# Altium PCB 键盘.PcbDoc (part 3 of 10)
Units mm, origin at the board's own origin, x right, y up, seen from the top; angles counter-clockwise.
Board outline 100 x 100 mm, 2 copper layers (Top Layer, Bottom Layer); 85 components, 82 nets, 333 pads, 92 vias.
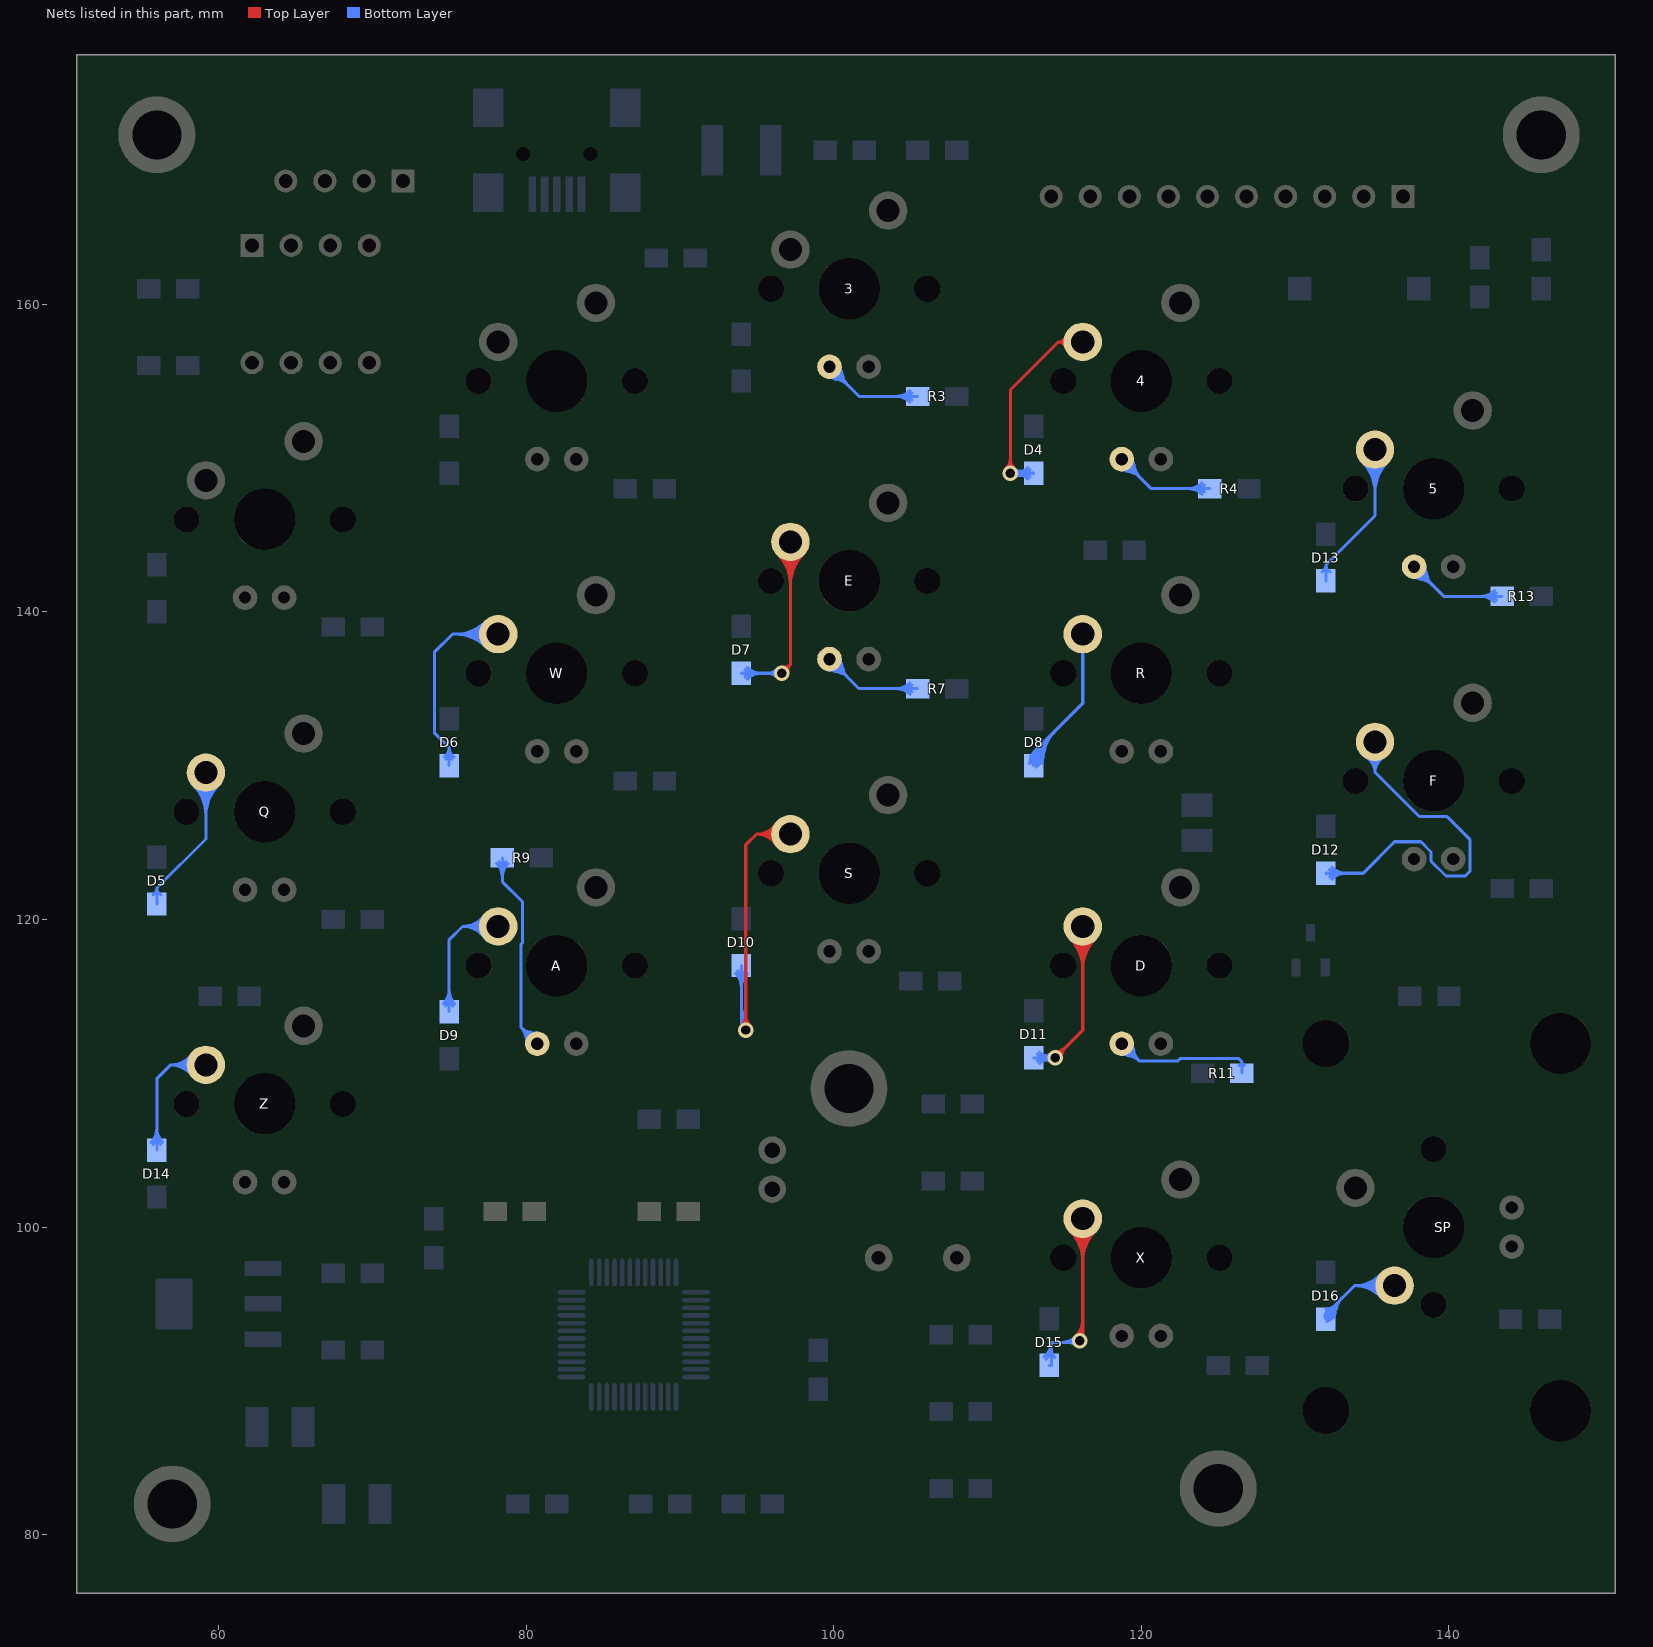
[diagram p3: the nets of this part, all layers, seen from the top]

## Via types
v1: diameter 1, hole 0.6, Top Layer to Bottom Layer, 92 vias

## Nets (pads, with @x,y where several pads share a name; then routed paths per layer and width w, separated by ;. In a path a pad name is that pad's centre, name@x,y a point inside that pad or via, vN(x,y) a via of type N, cw(c..) or ccw(c..) an arc to the next point about the centre after c; other vN are vias at no path point) (continued)
Net3_A: 3.A R3.2 | length 43.9
  Bottom Layer w0.2: 3.A@99.73,155.92 101.65,154 R3.2@105.46,154 ; 3.A@99.436,155.86 ccw(c100.397,156.057) 100.143,155.109 ; 3.A@99.436,155.86 ccw(c100.397,156.057) 100.143,155.109 ; 3.A@99.436,155.86 ccw(c100.397,156.057) 100.143,155.109 ; 3.A@99.632,155.9 ccw(c100.751,156.129) 100.456,155.026 ; 3.A@99.632,155.9 ccw(c100.751,156.129) 100.456,155.026 ; 3.A@99.632,155.9 ccw(c100.751,156.129) 100.456,155.026 ; 3.A@99.73,155.22 cw(c99.73,153.53) 100.925,154.725 ; 3.A@99.73,155.22 cw(c99.73,153.53) 100.925,154.725 ; 3.A@99.73,155.22 cw(c99.73,153.53) 100.925,154.725 ; 3.A@99.73,155.42 cw(c99.73,154.213) 100.584,155.066 ; 3.A@99.73,155.42 cw(c99.73,154.213) 100.584,155.066 ; 3.A@99.73,155.42 cw(c99.73,154.213) 100.584,155.066 ; 3.A@99.75,156.018 cw(c99.521,154.899) 100.624,155.194 ; 3.A@99.75,156.018 cw(c99.521,154.899) 100.624,155.194 ; 3.A@99.75,156.018 cw(c99.521,154.899) 100.624,155.194 ; 3.A@99.79,156.214 cw(c99.593,155.253) 100.541,155.507 ; 3.A@99.79,156.214 cw(c99.593,155.253) 100.541,155.507 ; 3.A@99.79,156.214 cw(c99.593,155.253) 100.541,155.507 ; 3.A@100.23,155.92 ccw(c101.437,155.92) 100.584,155.066 ; 3.A@100.23,155.92 ccw(c101.437,155.92) 100.584,155.066 ; 3.A@100.23,155.92 ccw(c101.437,155.92) 100.584,155.066 ; 3.A@100.43,155.92 ccw(c102.12,155.92) 100.925,154.725 ; 3.A@100.43,155.92 ccw(c102.12,155.92) 100.925,154.725 ; 3.A@100.43,155.92 ccw(c102.12,155.92) 100.925,154.725 ; 104.056,154 cw(c104.056,152.733) R3.2@104.952,153.629 ; 104.056,154 ccw(c104.056,155.267) R3.2@104.952,154.371 ; 104.056,154 cw(c104.056,152.733) R3.2@104.952,153.629 ; 104.056,154 ccw(c104.056,155.267) R3.2@104.952,154.371 ; 104.056,154 cw(c104.056,152.733) R3.2@104.952,153.629 ; 104.056,154 ccw(c104.056,155.267) R3.2@104.952,154.371 ; 104.538,154 cw(c104.538,153.215) R3.2@105.093,153.77 ; 104.538,154 ccw(c104.538,154.785) R3.2@105.093,154.23 ; 104.538,154 cw(c104.538,153.215) R3.2@105.093,153.77 ; 104.538,154 ccw(c104.538,154.785) R3.2@105.093,154.23 ; 104.538,154 cw(c104.538,153.215) R3.2@105.093,153.77 ; 104.538,154 ccw(c104.538,154.785) R3.2@105.093,154.23
Net4_1: 4.1 D4.2 | length 52.1
  Top Layer w0.2: v1(111.481,149) 111.481,154.416 114.605,157.54 ; 4.1@116.19,157.54 114.605,157.54 ; v1@111.198,149.283 ccw(c110.515,149.966) 111.481,149.966 ; v1@111.198,149.283 ccw(c110.515,149.966) 111.481,149.966 ; v1@111.198,149.283 ccw(c110.515,149.966) 111.481,149.966 ; 111.481,149.966 ccw(c112.446,149.966) v1@111.763,149.283 ; 111.481,149.966 ccw(c112.446,149.966) v1@111.763,149.283 ; 111.481,149.966 ccw(c112.446,149.966) v1@111.763,149.283 ; 114.605,157.54 cw(c114.605,157.022) 4.1@115.097,157.183 ; 114.605,157.54 ccw(c114.605,158.057) 4.1@115.097,157.897 ; 114.605,157.54 cw(c114.605,157.022) 4.1@115.097,157.183 ; 114.605,157.54 ccw(c114.605,158.057) 4.1@115.097,157.897 ; 114.605,157.54 cw(c114.605,157.022) 4.1@115.097,157.183 ; 114.605,157.54 ccw(c114.605,158.057) 4.1@115.097,157.897 ; 114.881,157.54 cw(c114.881,157.112) 4.1@115.287,157.245 ; 114.881,157.54 ccw(c114.881,157.967) 4.1@115.287,157.835 ; 114.881,157.54 cw(c114.881,157.112) 4.1@115.287,157.245 ; 114.881,157.54 ccw(c114.881,157.967) 4.1@115.287,157.835 ; 114.881,157.54 cw(c114.881,157.112) 4.1@115.287,157.245 ; 114.881,157.54 ccw(c114.881,157.967) 4.1@115.287,157.835
  Bottom Layer w0.2: v1(111.481,149) D4.2@113,149 ; v1@111.708,149 cw(c111.708,147.708) D4.2@112.622,148.622 ; v1@111.708,149 ccw(c111.708,150.292) D4.2@112.622,149.378 ; v1@111.708,149 cw(c111.708,147.708) D4.2@112.622,148.622 ; v1@111.708,149 ccw(c111.708,150.292) D4.2@112.622,149.378 ; v1@111.708,149 cw(c111.708,147.708) D4.2@112.622,148.622 ; v1@111.708,149 ccw(c111.708,150.292) D4.2@112.622,149.378 ; v1@111.763,148.717 cw(c112.446,148.034) D4.2@112.446,149 ; v1@111.763,148.717 cw(c112.446,148.034) D4.2@112.446,149 ; v1@111.763,148.717 cw(c112.446,148.034) D4.2@112.446,149 ; v1@111.763,149.283 ccw(c112.446,149.966) D4.2@112.446,149 ; v1@111.763,149.283 ccw(c112.446,149.966) D4.2@112.446,149 ; v1@111.763,149.283 ccw(c112.446,149.966) D4.2@112.446,149 ; v1@111.766,148.72 cw(c112.125,148.367) 112.256,148.853 ; v1@111.766,148.72 cw(c112.125,148.367) 112.256,148.853 ; v1@111.766,148.72 cw(c112.125,148.367) 112.256,148.853 ; v1@111.766,148.72 cw(c112.125,148.367) 112.256,148.853 ; v1@111.766,148.72 cw(c112.125,148.367) 112.256,148.853 ; v1@111.766,148.72 cw(c112.125,148.367) 112.256,148.853 ; v1@111.766,149.28 ccw(c112.125,149.633) 112.256,149.147 ; v1@111.766,149.28 ccw(c112.125,149.633) 112.256,149.147 ; v1@111.766,149.28 ccw(c112.125,149.633) 112.256,149.147 ; v1@111.766,149.28 ccw(c112.125,149.633) 112.256,149.147 ; v1@111.766,149.28 ccw(c112.125,149.633) 112.256,149.147 ; v1@111.766,149.28 ccw(c112.125,149.633) 112.256,149.147 ; v1@111.833,148.812 cw(c112.431,148.492) 112.255,149.147 ; v1@111.833,148.812 cw(c112.431,148.492) 112.255,149.147 ; v1@111.833,148.812 cw(c112.431,148.492) 112.255,149.147 ; v1@111.833,148.812 cw(c112.431,148.492) 112.255,149.147 ; v1@111.833,148.812 cw(c112.431,148.492) 112.255,149.147 ; v1@111.833,148.812 cw(c112.431,148.492) 112.255,149.147 ; v1@111.833,149.188 ccw(c112.431,149.508) 112.255,148.853 ; v1@111.833,149.188 ccw(c112.431,149.508) 112.255,148.853 ; v1@111.833,149.188 ccw(c112.431,149.508) 112.255,148.853 ; v1@111.833,149.188 ccw(c112.431,149.508) 112.255,148.853 ; v1@111.833,149.188 ccw(c112.431,149.508) 112.255,148.853 ; v1@111.833,149.188 ccw(c112.431,149.508) 112.255,148.853 ; 112.191,149 cw(c112.191,148.191) D4.2@112.763,148.763 ; 112.191,149 ccw(c112.191,149.809) D4.2@112.763,149.237 ; 112.191,149 cw(c112.191,148.191) D4.2@112.763,148.763 ; 112.191,149 ccw(c112.191,149.809) D4.2@112.763,149.237 ; 112.191,149 cw(c112.191,148.191) D4.2@112.763,148.763 ; 112.191,149 ccw(c112.191,149.809) D4.2@112.763,149.237
Net4_A: 4.A R4.2 | length 43.9
  Bottom Layer w0.2: 4.A@118.73,149.92 120.65,148 R4.2@124.46,148 ; 4.A@118.436,149.86 ccw(c119.397,150.057) 119.143,149.109 ; 4.A@118.436,149.86 ccw(c119.397,150.057) 119.143,149.109 ; 4.A@118.436,149.86 ccw(c119.397,150.057) 119.143,149.109 ; 4.A@118.632,149.9 ccw(c119.751,150.129) 119.456,149.026 ; 4.A@118.632,149.9 ccw(c119.751,150.129) 119.456,149.026 ; 4.A@118.632,149.9 ccw(c119.751,150.129) 119.456,149.026 ; 4.A@118.73,149.22 cw(c118.73,147.53) 119.925,148.725 ; 4.A@118.73,149.22 cw(c118.73,147.53) 119.925,148.725 ; 4.A@118.73,149.22 cw(c118.73,147.53) 119.925,148.725 ; 4.A@118.73,149.42 cw(c118.73,148.213) 119.584,149.066 ; 4.A@118.73,149.42 cw(c118.73,148.213) 119.584,149.066 ; 4.A@118.73,149.42 cw(c118.73,148.213) 119.584,149.066 ; 4.A@118.75,150.018 cw(c118.521,148.899) 119.624,149.194 ; 4.A@118.75,150.018 cw(c118.521,148.899) 119.624,149.194 ; 4.A@118.75,150.018 cw(c118.521,148.899) 119.624,149.194 ; 4.A@118.79,150.214 cw(c118.593,149.253) 119.541,149.507 ; 4.A@118.79,150.214 cw(c118.593,149.253) 119.541,149.507 ; 4.A@118.79,150.214 cw(c118.593,149.253) 119.541,149.507 ; 4.A@119.23,149.92 ccw(c120.437,149.92) 119.584,149.066 ; 4.A@119.23,149.92 ccw(c120.437,149.92) 119.584,149.066 ; 4.A@119.23,149.92 ccw(c120.437,149.92) 119.584,149.066 ; 4.A@119.43,149.92 ccw(c121.12,149.92) 119.925,148.725 ; 4.A@119.43,149.92 ccw(c121.12,149.92) 119.925,148.725 ; 4.A@119.43,149.92 ccw(c121.12,149.92) 119.925,148.725 ; 123.056,148 cw(c123.056,146.733) R4.2@123.952,147.629 ; 123.056,148 ccw(c123.056,149.267) R4.2@123.952,148.371 ; 123.056,148 cw(c123.056,146.733) R4.2@123.952,147.629 ; 123.056,148 ccw(c123.056,149.267) R4.2@123.952,148.371 ; 123.056,148 cw(c123.056,146.733) R4.2@123.952,147.629 ; 123.056,148 ccw(c123.056,149.267) R4.2@123.952,148.371 ; 123.538,148 cw(c123.538,147.215) R4.2@124.093,147.77 ; 123.538,148 ccw(c123.538,148.785) R4.2@124.093,148.23 ; 123.538,148 cw(c123.538,147.215) R4.2@124.093,147.77 ; 123.538,148 ccw(c123.538,148.785) R4.2@124.093,148.23 ; 123.538,148 cw(c123.538,147.215) R4.2@124.093,147.77 ; 123.538,148 ccw(c123.538,148.785) R4.2@124.093,148.23
Net5_1: 5.1 D13.2 | length 51.9
  Bottom Layer w0.2: D13.2@132,142 132,143.053 ; 5.1@135.19,150.54 135.19,146.243 132,143.053 ; D13.2@131.733,142.591 ccw(c131.467,143.053) 132,143.053 ; D13.2@131.733,142.591 ccw(c131.467,143.053) 132,143.053 ; D13.2@131.733,142.591 ccw(c131.467,143.053) 132,143.053 ; 132,143.053 ccw(c132.533,143.053) D13.2@132.267,142.591 ; 132,143.053 ccw(c132.533,143.053) D13.2@132.267,142.591 ; 132,143.053 ccw(c132.533,143.053) D13.2@132.267,142.591 ; 5.1@134.377,149.727 cw(c132.414,147.764) 135.19,147.764 ; 5.1@134.377,149.727 cw(c132.414,147.764) 135.19,147.764 ; 5.1@134.377,149.727 cw(c132.414,147.764) 135.19,147.764 ; 5.1@134.518,149.868 cw(c132.896,148.247) 135.19,148.247 ; 5.1@134.518,149.868 cw(c132.896,148.247) 135.19,148.247 ; 5.1@134.518,149.868 cw(c132.896,148.247) 135.19,148.247 ; 5.1@134.66,150.01 cw(c133.379,148.729) 135.19,148.729 ; 5.1@134.66,150.01 cw(c133.379,148.729) 135.19,148.729 ; 5.1@134.66,150.01 cw(c133.379,148.729) 135.19,148.729 ; 5.1@134.801,150.151 cw(c133.862,149.212) 135.19,149.212 ; 5.1@134.801,150.151 cw(c133.862,149.212) 135.19,149.212 ; 5.1@134.801,150.151 cw(c133.862,149.212) 135.19,149.212 ; 135.19,147.764 cw(c137.966,147.764) 5.1@136.003,149.727 ; 135.19,147.764 cw(c137.966,147.764) 5.1@136.003,149.727 ; 135.19,147.764 cw(c137.966,147.764) 5.1@136.003,149.727 ; 135.19,148.247 cw(c137.483,148.247) 5.1@135.862,149.868 ; 135.19,148.247 cw(c137.483,148.247) 5.1@135.862,149.868 ; 135.19,148.247 cw(c137.483,148.247) 5.1@135.862,149.868 ; 135.19,148.729 cw(c137.001,148.729) 5.1@135.72,150.01 ; 135.19,148.729 cw(c137.001,148.729) 5.1@135.72,150.01 ; 135.19,148.729 cw(c137.001,148.729) 5.1@135.72,150.01 ; 135.19,149.212 cw(c136.518,149.212) 5.1@135.579,150.151 ; 135.19,149.212 cw(c136.518,149.212) 5.1@135.579,150.151 ; 135.19,149.212 cw(c136.518,149.212) 5.1@135.579,150.151
Net5_A: 5.A R13.2 | length 43.9
  Bottom Layer w0.2: 5.A@137.73,142.92 139.65,141 R13.2@143.46,141 ; 5.A@137.436,142.86 ccw(c138.397,143.057) 138.143,142.109 ; 5.A@137.436,142.86 ccw(c138.397,143.057) 138.143,142.109 ; 5.A@137.436,142.86 ccw(c138.397,143.057) 138.143,142.109 ; 5.A@137.632,142.9 ccw(c138.751,143.129) 138.456,142.026 ; 5.A@137.632,142.9 ccw(c138.751,143.129) 138.456,142.026 ; 5.A@137.632,142.9 ccw(c138.751,143.129) 138.456,142.026 ; 5.A@137.73,142.22 cw(c137.73,140.53) 138.925,141.725 ; 5.A@137.73,142.22 cw(c137.73,140.53) 138.925,141.725 ; 5.A@137.73,142.22 cw(c137.73,140.53) 138.925,141.725 ; 5.A@137.73,142.42 cw(c137.73,141.213) 138.584,142.066 ; 5.A@137.73,142.42 cw(c137.73,141.213) 138.584,142.066 ; 5.A@137.73,142.42 cw(c137.73,141.213) 138.584,142.066 ; 5.A@137.75,143.018 cw(c137.521,141.899) 138.624,142.194 ; 5.A@137.75,143.018 cw(c137.521,141.899) 138.624,142.194 ; 5.A@137.75,143.018 cw(c137.521,141.899) 138.624,142.194 ; 5.A@137.79,143.214 cw(c137.593,142.253) 138.541,142.507 ; 5.A@137.79,143.214 cw(c137.593,142.253) 138.541,142.507 ; 5.A@137.79,143.214 cw(c137.593,142.253) 138.541,142.507 ; 5.A@138.23,142.92 ccw(c139.437,142.92) 138.584,142.066 ; 5.A@138.23,142.92 ccw(c139.437,142.92) 138.584,142.066 ; 5.A@138.23,142.92 ccw(c139.437,142.92) 138.584,142.066 ; 5.A@138.43,142.92 ccw(c140.12,142.92) 138.925,141.725 ; 5.A@138.43,142.92 ccw(c140.12,142.92) 138.925,141.725 ; 5.A@138.43,142.92 ccw(c140.12,142.92) 138.925,141.725 ; 142.056,141 cw(c142.056,139.733) R13.2@142.952,140.629 ; 142.056,141 ccw(c142.056,142.267) R13.2@142.952,141.371 ; 142.056,141 cw(c142.056,139.733) R13.2@142.952,140.629 ; 142.056,141 ccw(c142.056,142.267) R13.2@142.952,141.371 ; 142.056,141 cw(c142.056,139.733) R13.2@142.952,140.629 ; 142.056,141 ccw(c142.056,142.267) R13.2@142.952,141.371 ; 142.538,141 cw(c142.538,140.215) R13.2@143.093,140.77 ; 142.538,141 ccw(c142.538,141.785) R13.2@143.093,141.23 ; 142.538,141 cw(c142.538,140.215) R13.2@143.093,140.77 ; 142.538,141 ccw(c142.538,141.785) R13.2@143.093,141.23 ; 142.538,141 cw(c142.538,140.215) R13.2@143.093,140.77 ; 142.538,141 ccw(c142.538,141.785) R13.2@143.093,141.23
NetA_1: A.1 D9.2 | length 42.2
  Bottom Layer w0.2: D9.2@75,114 75,118.669 75.871,119.54 ; A.1@78.19,119.54 75.871,119.54 ; D9.2@74.622,114.505 ccw(c73.708,115.419) 75,115.419 ; D9.2@74.622,114.505 ccw(c73.708,115.419) 75,115.419 ; D9.2@74.622,114.505 ccw(c73.708,115.419) 75,115.419 ; D9.2@74.763,114.364 ccw(c74.191,114.936) 75,114.936 ; D9.2@74.763,114.364 ccw(c74.191,114.936) 75,114.936 ; D9.2@74.763,114.364 ccw(c74.191,114.936) 75,114.936 ; 75,114.936 ccw(c75.809,114.936) D9.2@75.237,114.364 ; 75,114.936 ccw(c75.809,114.936) D9.2@75.237,114.364 ; 75,114.936 ccw(c75.809,114.936) D9.2@75.237,114.364 ; 75,115.419 ccw(c76.292,115.419) D9.2@75.378,114.505 ; 75,115.419 ccw(c76.292,115.419) D9.2@75.378,114.505 ; 75,115.419 ccw(c76.292,115.419) D9.2@75.378,114.505 ; 75.871,119.54 cw(c75.871,117.778) A.1@77.274,118.844 ; 75.871,119.54 ccw(c75.871,121.302) A.1@77.274,120.236 ; 75.871,119.54 cw(c75.871,117.778) A.1@77.274,118.844 ; 75.871,119.54 ccw(c75.871,121.302) A.1@77.274,120.236 ; 75.871,119.54 cw(c75.871,117.778) A.1@77.274,118.844 ; 75.871,119.54 ccw(c75.871,121.302) A.1@77.274,120.236 ; 76.275,119.54 cw(c76.275,118.084) A.1@77.434,118.965 ; 76.275,119.54 ccw(c76.275,120.996) A.1@77.434,120.115 ; 76.275,119.54 cw(c76.275,118.084) A.1@77.434,118.965 ; 76.275,119.54 ccw(c76.275,120.996) A.1@77.434,120.115 ; 76.275,119.54 cw(c76.275,118.084) A.1@77.434,118.965 ; 76.275,119.54 ccw(c76.275,120.996) A.1@77.434,120.115 ; 76.678,119.54 cw(c76.678,118.391) A.1@77.593,119.086 ; 76.678,119.54 ccw(c76.678,120.689) A.1@77.593,119.994 ; 76.678,119.54 cw(c76.678,118.391) A.1@77.593,119.086 ; 76.678,119.54 ccw(c76.678,120.689) A.1@77.593,119.994 ; 76.678,119.54 cw(c76.678,118.391) A.1@77.593,119.086 ; 76.678,119.54 ccw(c76.678,120.689) A.1@77.593,119.994
NetA_A: A.A R9.2 | length 40.8
  Bottom Layer w0.2: R9.2@78.46,124 78.46,122.453 79.756,121.157 79.756,118.466 79.68,118.389 79.68,112.97 ; A.A@80.73,111.92 79.68,112.97 ; R9.2@78.089,123.629 cw(c77.193,122.733) 78.46,122.733 ; R9.2@78.089,123.629 cw(c77.193,122.733) 78.46,122.733 ; R9.2@78.089,123.629 cw(c77.193,122.733) 78.46,122.733 ; R9.2@78.23,123.77 cw(c77.675,123.215) 78.46,123.215 ; R9.2@78.23,123.77 cw(c77.675,123.215) 78.46,123.215 ; R9.2@78.23,123.77 cw(c77.675,123.215) 78.46,123.215 ; 78.46,122.733 cw(c79.727,122.733) R9.2@78.831,123.629 ; 78.46,122.733 cw(c79.727,122.733) R9.2@78.831,123.629 ; 78.46,122.733 cw(c79.727,122.733) R9.2@78.831,123.629 ; 78.46,123.215 cw(c79.245,123.215) R9.2@78.69,123.77 ; 78.46,123.215 cw(c79.245,123.215) R9.2@78.69,123.77 ; 78.46,123.215 cw(c79.245,123.215) R9.2@78.69,123.77 ; 79.68,112.97 cw(c78.813,112.104) A.A@80.033,111.987 ; 79.68,112.97 ccw(c80.546,113.837) A.A@80.663,112.617 ; 79.68,112.97 cw(c78.813,112.104) A.A@80.033,111.987 ; 79.68,112.97 ccw(c80.546,113.837) A.A@80.663,112.617 ; 79.68,112.97 cw(c78.813,112.104) A.A@80.033,111.987 ; 79.68,112.97 ccw(c80.546,113.837) A.A@80.663,112.617 ; 79.938,112.556 ccw(c81.172,112.763) A.A@80.591,111.654 ; 79.938,112.556 ccw(c81.172,112.763) A.A@80.591,111.654 ; 79.938,112.556 ccw(c81.172,112.763) A.A@80.591,111.654 ; 79.98,112.67 cw(c79.361,112.051) A.A@80.232,111.968 ; 79.98,112.67 ccw(c80.599,113.289) A.A@80.682,112.418 ; 79.98,112.67 cw(c79.361,112.051) A.A@80.232,111.968 ; 79.98,112.67 ccw(c80.599,113.289) A.A@80.682,112.418 ; 79.98,112.67 cw(c79.361,112.051) A.A@80.232,111.968 ; 79.98,112.67 ccw(c80.599,113.289) A.A@80.682,112.418 ; 80.094,112.712 cw(c79.887,111.478) A.A@80.996,112.059 ; 80.094,112.712 cw(c79.887,111.478) A.A@80.996,112.059 ; 80.094,112.712 cw(c79.887,111.478) A.A@80.996,112.059
NetD5_2: D5.2 Q.1 | length 51.8
  Bottom Layer w0.2: D5.2@56,121 56,122.04 ; Q.1@59.19,129.54 59.19,125.23 56,122.04 ; D5.2@55.739,121.594 ccw(c55.489,122.04) 56,122.04 ; D5.2@55.739,121.594 ccw(c55.489,122.04) 56,122.04 ; D5.2@55.739,121.594 ccw(c55.489,122.04) 56,122.04 ; 56,122.04 ccw(c56.511,122.04) D5.2@56.261,121.594 ; 56,122.04 ccw(c56.511,122.04) D5.2@56.261,121.594 ; 56,122.04 ccw(c56.511,122.04) D5.2@56.261,121.594 ; Q.1@58.377,128.727 cw(c56.414,126.764) 59.19,126.764 ; Q.1@58.377,128.727 cw(c56.414,126.764) 59.19,126.764 ; Q.1@58.377,128.727 cw(c56.414,126.764) 59.19,126.764 ; Q.1@58.518,128.868 cw(c56.897,127.246) 59.19,127.246 ; Q.1@58.518,128.868 cw(c56.897,127.246) 59.19,127.246 ; Q.1@58.518,128.868 cw(c56.897,127.246) 59.19,127.246 ; Q.1@58.66,129.01 cw(c57.379,127.729) 59.19,127.729 ; Q.1@58.66,129.01 cw(c57.379,127.729) 59.19,127.729 ; Q.1@58.66,129.01 cw(c57.379,127.729) 59.19,127.729 ; Q.1@58.801,129.151 cw(c57.862,128.212) 59.19,128.212 ; Q.1@58.801,129.151 cw(c57.862,128.212) 59.19,128.212 ; Q.1@58.801,129.151 cw(c57.862,128.212) 59.19,128.212 ; 59.19,126.764 cw(c61.966,126.764) Q.1@60.003,128.727 ; 59.19,126.764 cw(c61.966,126.764) Q.1@60.003,128.727 ; 59.19,126.764 cw(c61.966,126.764) Q.1@60.003,128.727 ; 59.19,127.246 cw(c61.484,127.246) Q.1@59.862,128.868 ; 59.19,127.246 cw(c61.484,127.246) Q.1@59.862,128.868 ; 59.19,127.246 cw(c61.484,127.246) Q.1@59.862,128.868 ; 59.19,127.729 cw(c61.001,127.729) Q.1@59.72,129.01 ; 59.19,127.729 cw(c61.001,127.729) Q.1@59.72,129.01 ; 59.19,127.729 cw(c61.001,127.729) Q.1@59.72,129.01 ; 59.19,128.212 cw(c60.518,128.212) Q.1@59.579,129.151 ; 59.19,128.212 cw(c60.518,128.212) Q.1@59.579,129.151 ; 59.19,128.212 cw(c60.518,128.212) Q.1@59.579,129.151
NetD6_2: D6.2 W.1 | length 58
  Bottom Layer w0.2: D6.2@75,130 75,131.172 ; W.1@78.19,138.54 75.218,138.54 74.041,137.363 74.041,132.131 75,131.172 ; D6.2@74.687,130.561 ccw(c74.247,131.172) 75,131.172 ; D6.2@74.687,130.561 ccw(c74.247,131.172) 75,131.172 ; D6.2@74.687,130.561 ccw(c74.247,131.172) 75,131.172 ; D6.2@74.804,130.399 ccw(c74.529,130.781) 75,130.781 ; D6.2@74.804,130.399 ccw(c74.529,130.781) 75,130.781 ; D6.2@74.804,130.399 ccw(c74.529,130.781) 75,130.781 ; 75,130.781 ccw(c75.471,130.781) D6.2@75.196,130.399 ; 75,130.781 ccw(c75.471,130.781) D6.2@75.196,130.399 ; 75,130.781 ccw(c75.471,130.781) D6.2@75.196,130.399 ; 75,131.172 ccw(c75.753,131.172) D6.2@75.313,130.561 ; 75,131.172 ccw(c75.753,131.172) D6.2@75.313,130.561 ; 75,131.172 ccw(c75.753,131.172) D6.2@75.313,130.561 ; 75.414,138.54 cw(c75.414,135.764) W.1@77.377,137.727 ; 75.414,138.54 ccw(c75.414,141.316) W.1@77.377,139.353 ; 75.414,138.54 cw(c75.414,135.764) W.1@77.377,137.727 ; 75.414,138.54 ccw(c75.414,141.316) W.1@77.377,139.353 ; 75.414,138.54 cw(c75.414,135.764) W.1@77.377,137.727 ; 75.414,138.54 ccw(c75.414,141.316) W.1@77.377,139.353 ; 75.896,138.54 cw(c75.896,136.246) W.1@77.518,137.868 ; 75.896,138.54 ccw(c75.896,140.833) W.1@77.518,139.212 ; 75.896,138.54 cw(c75.896,136.246) W.1@77.518,137.868 ; 75.896,138.54 ccw(c75.896,140.833) W.1@77.518,139.212 ; 75.896,138.54 cw(c75.896,136.246) W.1@77.518,137.868 ; 75.896,138.54 ccw(c75.896,140.833) W.1@77.518,139.212 ; 76.379,138.54 cw(c76.379,136.729) W.1@77.66,138.01 ; 76.379,138.54 ccw(c76.379,140.351) W.1@77.66,139.07 ; 76.379,138.54 cw(c76.379,136.729) W.1@77.66,138.01 ; 76.379,138.54 ccw(c76.379,140.351) W.1@77.66,139.07 ; 76.379,138.54 cw(c76.379,136.729) W.1@77.66,138.01 ; 76.379,138.54 ccw(c76.379,140.351) W.1@77.66,139.07 ; 76.862,138.54 cw(c76.862,137.212) W.1@77.801,138.151 ; 76.862,138.54 ccw(c76.862,139.868) W.1@77.801,138.929 ; 76.862,138.54 cw(c76.862,137.212) W.1@77.801,138.151 ; 76.862,138.54 ccw(c76.862,139.868) W.1@77.801,138.929 ; 76.862,138.54 cw(c76.862,137.212) W.1@77.801,138.151 ; 76.862,138.54 ccw(c76.862,139.868) W.1@77.801,138.929
NetD7_2: D7.2 E.1 | length 71.8
  Top Layer w0.2: v1(96.624,136) 97.19,136.566 ; E.1@97.19,144.54 97.19,136.566 ; E.1@96.377,143.727 cw(c94.414,141.764) 97.19,141.764 ; E.1@96.377,143.727 cw(c94.414,141.764) 97.19,141.764 ; E.1@96.377,143.727 cw(c94.414,141.764) 97.19,141.764 ; v1@96.466,136.123 cw(c97.125,135.607) 97.024,136.438 ; v1@96.466,136.123 cw(c97.125,135.607) 97.024,136.438 ; v1@96.466,136.123 cw(c97.125,135.607) 97.024,136.438 ; E.1@96.518,143.868 cw(c94.896,142.247) 97.19,142.247 ; E.1@96.518,143.868 cw(c94.896,142.247) 97.19,142.247 ; E.1@96.518,143.868 cw(c94.896,142.247) 97.19,142.247 ; E.1@96.66,144.01 cw(c95.379,142.729) 97.19,142.729 ; E.1@96.66,144.01 cw(c95.379,142.729) 97.19,142.729 ; E.1@96.66,144.01 cw(c95.379,142.729) 97.19,142.729 ; v1@96.68,136.396 ccw(c96.765,136.991) 97.19,136.566 ; v1@96.68,136.396 ccw(c96.765,136.991) 97.19,136.566 ; v1@96.68,136.396 ccw(c96.765,136.991) 97.19,136.566 ; v1@96.747,135.843 ccw(c96.231,136.501) 97.061,136.4 ; v1@96.747,135.843 ccw(c96.231,136.501) 97.061,136.4 ; v1@96.747,135.843 ccw(c96.231,136.501) 97.061,136.4 ; E.1@96.801,144.151 cw(c95.862,143.212) 97.19,143.212 ; E.1@96.801,144.151 cw(c95.862,143.212) 97.19,143.212 ; E.1@96.801,144.151 cw(c95.862,143.212) 97.19,143.212 ; v1@97.02,136.056 cw(c97.615,136.141) 97.19,136.566 ; v1@97.02,136.056 cw(c97.615,136.141) 97.19,136.566 ; v1@97.02,136.056 cw(c97.615,136.141) 97.19,136.566 ; 97.19,141.764 cw(c99.966,141.764) E.1@98.003,143.727 ; 97.19,141.764 cw(c99.966,141.764) E.1@98.003,143.727 ; 97.19,141.764 cw(c99.966,141.764) E.1@98.003,143.727 ; 97.19,142.247 cw(c99.484,142.247) E.1@97.862,143.868 ; 97.19,142.247 cw(c99.484,142.247) E.1@97.862,143.868 ; 97.19,142.247 cw(c99.484,142.247) E.1@97.862,143.868 ; 97.19,142.729 cw(c99.001,142.729) E.1@97.72,144.01 ; 97.19,142.729 cw(c99.001,142.729) E.1@97.72,144.01 ; 97.19,142.729 cw(c99.001,142.729) E.1@97.72,144.01 ; 97.19,143.212 cw(c98.518,143.212) E.1@97.579,144.151 ; 97.19,143.212 cw(c98.518,143.212) E.1@97.579,144.151 ; 97.19,143.212 cw(c98.518,143.212) E.1@97.579,144.151